# Altium PCB 202101904XB(公开).PcbDoc (part 3 of 6) (continued)
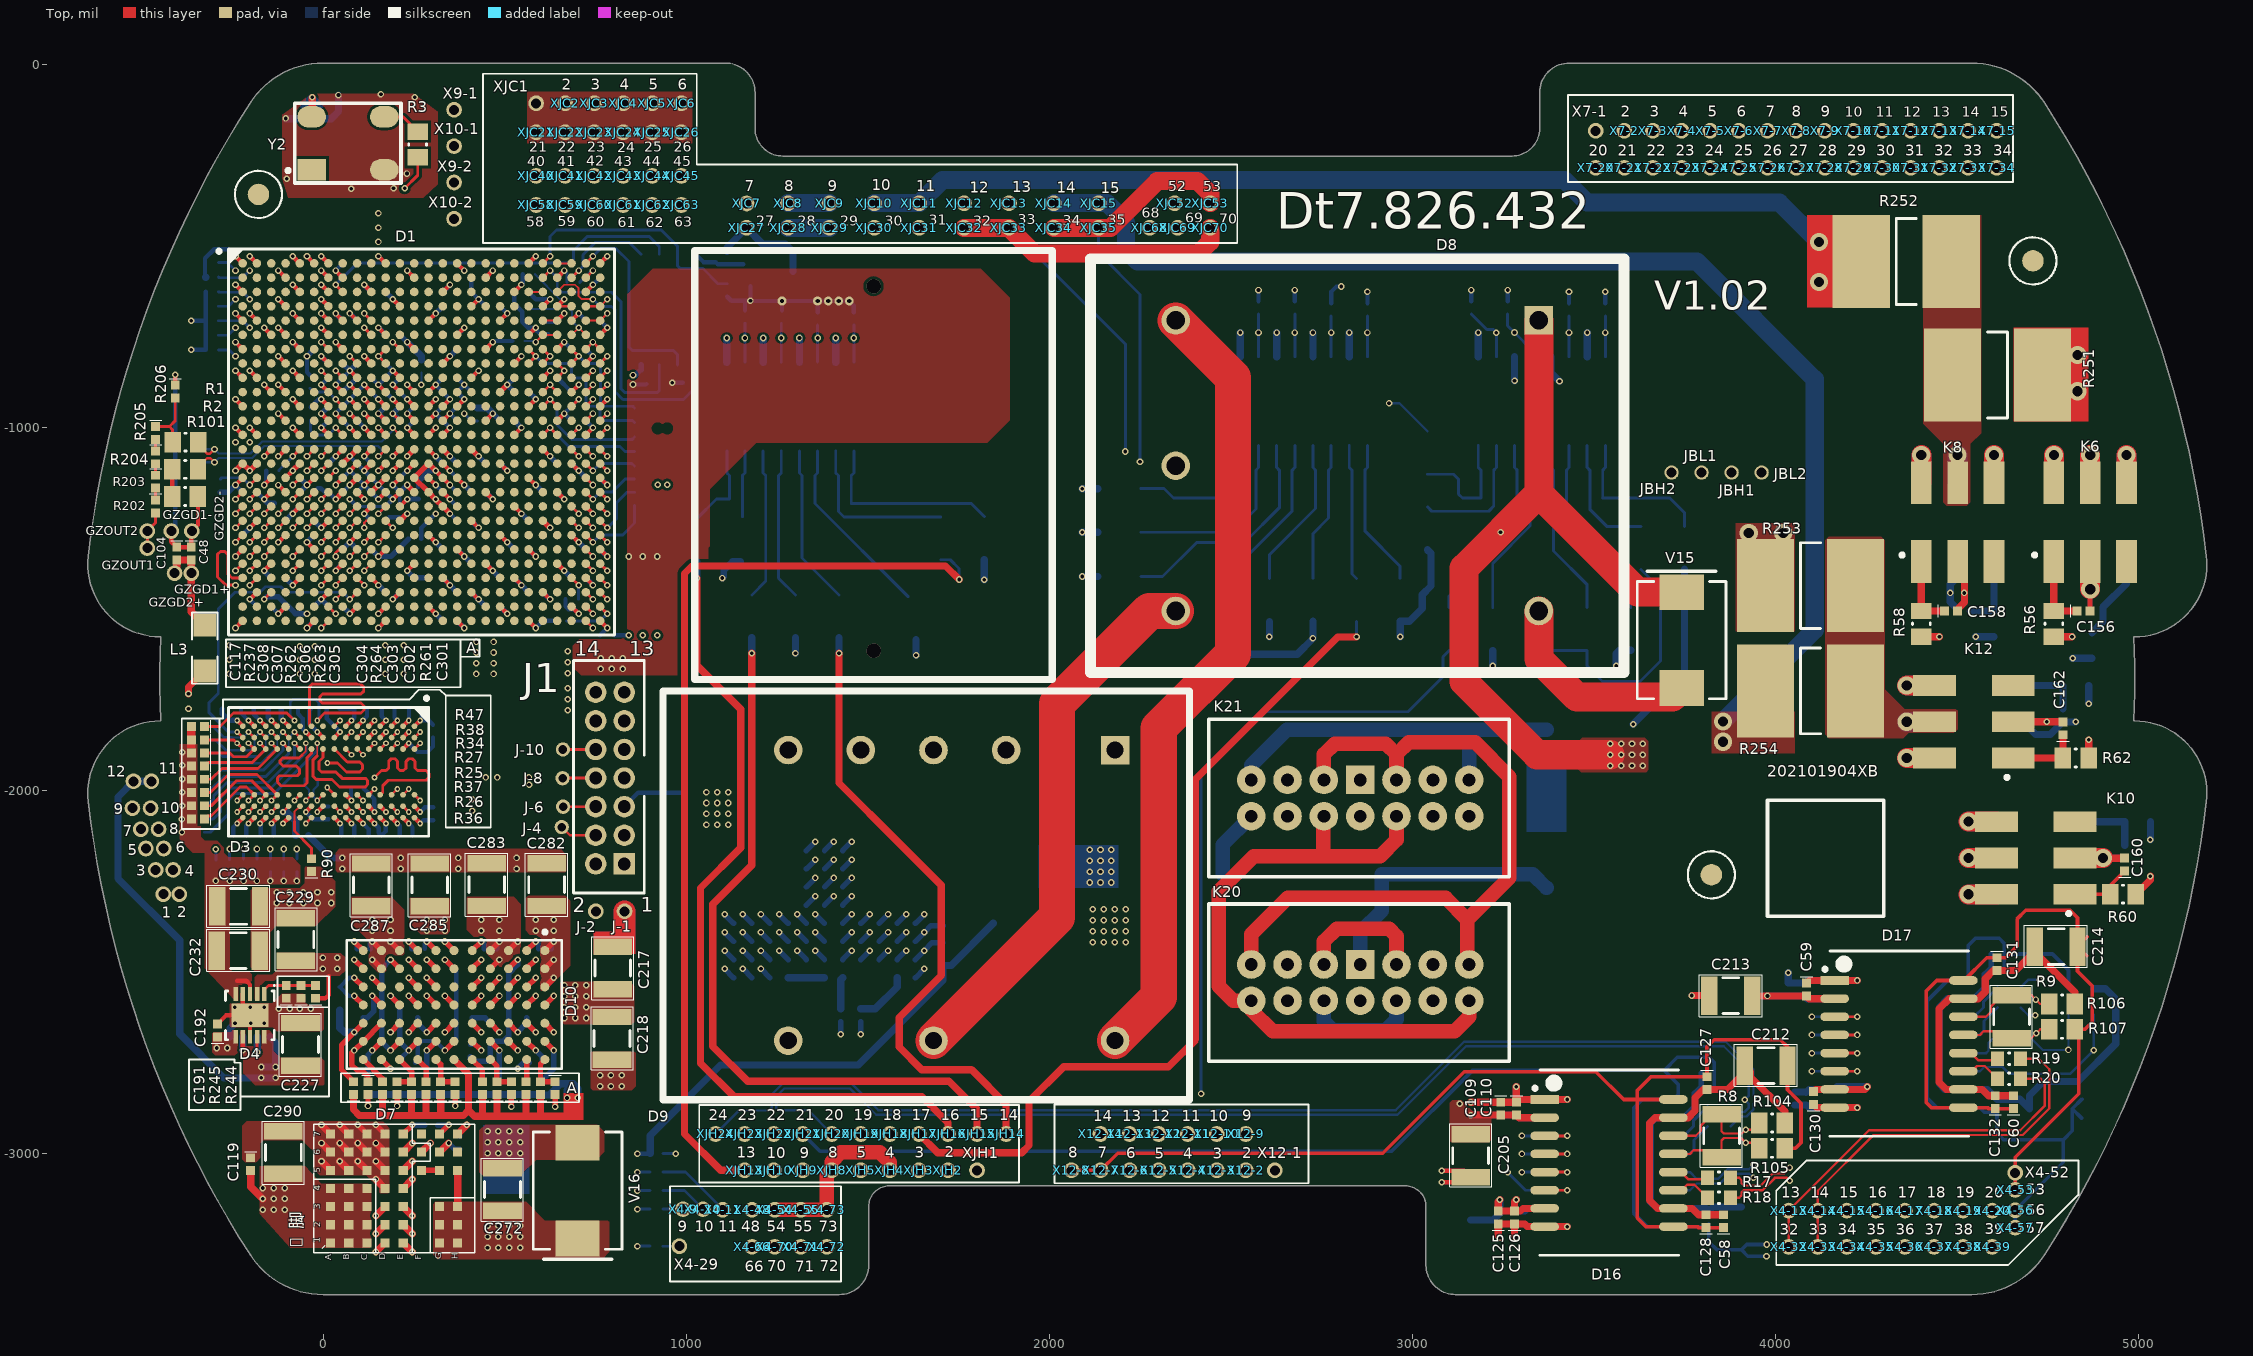
[diagram p0: Top view]
## Nets (pads, with @x,y where several pads share a name; then routed paths per layer and width w, separated by ;. In a path a pad name is that pad's centre, name@x,y a point inside that pad or via, vN(x,y) a via of type N, cw(c..) or ccw(c..) an arc to the next point about the centre after c; other vN are vias at no path point) (continued)
DDR3-A12: D1.U2 D3.N7 R37.1 | length 1420.2
  Top w8: R37.1@-326.98,-2005.42 -309.66,-2005.42 -260.66,-1956.42 -182.08,-1956.42 D3.N7@-126.38,-2012.12 v2(-142.12,-2027.86) ; v1(-201.85,-1198.61) D1.U2@-182.17,-1178.94
  sig_05 w8: v1(-201.85,-1198.61) -201.85,-1186.89 -182.67,-1167.71 -182.67,-1147.42 -190.67,-1139.42 -214.17,-1139.42 -222.17,-1147.42 -222.17,-1288.82 -230.17,-1296.82 -250.57,-1296.82 -260.47,-1306.72 -260.47,-1492.12 -278.67,-1510.32 -278.67,-1948.02 -263.17,-1963.52 -180.27,-1963.52 -142.12,-2001.67 v2(-142.12,-2027.86)
DDR3-A13: D1.U5 D3.T3 R38.1 | length 1331
  Top w8: R38.1@-326.95,-1861.04 -245.97,-1861.04 v2(-236.61,-1870.4) D3.T3@-220.87,-1886.14 ; v1(-83.74,-1198.61) D1.U5@-64.06,-1178.94
  sig_03 w8: v2(-236.61,-1870.4) -261.37,-1870.4 -269.67,-1878.7 -269.67,-1996.6 -277.67,-2004.6 -291.97,-2004.6 -299.97,-1996.6 -299.97,-1230.72 -287.67,-1218.42 -154.97,-1218.42 -135.16,-1198.61 v1(-83.74,-1198.61)
DDR3-A14: D1.U6 D3.T7 R48.2 | length 1419.3
  Top w8: v2(-236.61,-2027.86) D3.T7@-220.87,-2012.12 ; v1(-44.37,-1198.61) D1.U6@-24.69,-1178.94
  sig_03 w8: v1(-295.28,-2161.66) -295.28,-2089.15 -236.61,-2030.49 v2(-236.61,-2027.86) -241.41,-2023.07 -305.73,-2023.07 -318.67,-2010.12 -318.67,-1215.12 -282.87,-1179.32 -63.65,-1179.32 v1(-44.37,-1198.61)
  Bottom w8: R48.2@-295.28,-2191.23 v1(-295.28,-2161.66)
DDR3-BA0: D1.Y1 D3.M2 R39.1 | length 1490.7
  Top w8: v1(-241.22,-1316.72) D1.Y1@-221.54,-1297.05 ; v2(-110.63,-1838.9) D3.M2@-94.88,-1854.64
  sig_08 w5: -126.57,-1796.72 -126.57,-1834.9 -122.57,-1838.9 v2(-110.63,-1838.9)
  sig_08 w8: v1(-241.22,-1316.72) -272.67,-1316.72 -280.67,-1324.72 -280.67,-1941.42 -272.67,-1949.42 -261.35,-1949.42 -256.25,-1944.32 -256.25,-1922.42 -248.25,-1914.42 -237.85,-1914.42 -229.85,-1922.42 -229.85,-1945.82 -226.25,-1949.42 -213.73,-1949.42 -207.07,-1942.76 -207.07,-1900.12 -215.07,-1892.12 -246.57,-1892.12 -254.57,-1884.12 -254.57,-1796.72 -246.57,-1788.72 -134.57,-1788.72 -126.57,-1796.72
  Bottom w5: -130.8,-1886.55 -126.28,-1882.03 -126.28,-1854.55 v2(-110.63,-1838.9)
  Bottom w8: R39.1@-326.95,-1932.98 -319.39,-1925.42 -169.67,-1925.42 -130.8,-1886.55
DDR3-BA1: D1.W1 D3.N8 R40.1 | length 1311.3
  Top w8: v1(-241.22,-1277.35) D1.W1@-221.54,-1257.68 ; v2(-142.12,-2059.36) D3.N8@-126.38,-2043.62
  sig_03 w5: -158.08,-2103 -158.08,-2075.32 v2(-142.12,-2059.36)
  sig_03 w8: -158.08,-2103 -158.08,-2148.36 v1(-145.02,-2161.42)
  sig_05 w5: -157.67,-2014.42 -157.67,-2043.81 v2(-142.12,-2059.36)
  sig_05 w8: v1(-241.22,-1277.35) -263.36,-1277.35 -279.17,-1293.16 -279.17,-1484.42 -302.37,-1507.62 -302.37,-2069.72 -296.27,-2075.82 -282.57,-2075.82 -272.87,-2066.12 -272.87,-1995.82 -262.57,-1985.52 -186.57,-1985.52 -157.67,-2014.42
  Bottom w8: R40.1@-145.02,-2188.7 v1(-145.02,-2161.42)
DDR3-BA2: D1.AC1 D3.M3 R41.1 | length 1493.1
  Top w8: v1(-241.22,-1434.83) -268.05,-1434.83 -290.67,-1412.21 -290.67,-1349.92 -282.67,-1341.92 -270.67,-1341.92 -262.67,-1349.92 -262.67,-1403.65 -251.17,-1415.15 D1.AC1@-221.54,-1415.16 ; v2(-110.63,-1870.4) D3.M3@-94.88,-1886.14
  sig_03 w5: -271.58,-1854.52 -227,-1854.52 -220.87,-1860.65 -220.87,-1883.92
  sig_03 w8: -271.58,-1854.52 -278.47,-1847.63 -278.47,-1418.12 -272.47,-1412.12 -253.57,-1412.12 -241.22,-1424.47 v1(-241.22,-1434.83) ; -220.87,-1883.92 -243.07,-1906.12 -243.07,-2000.35 -237.4,-2006.02 -166.55,-2006.02 -158.55,-1998.02 -158.55,-1955.72 -150.55,-1947.72 -129.87,-1947.72 -119.77,-1937.62 -119.77,-1879.54 v2(-110.63,-1870.4)
  Bottom w8: R41.1@-326.98,-1969.39 -307.64,-1969.39 -282.67,-1944.42 -164.67,-1944.42 -110.63,-1890.38 v2(-110.63,-1870.4)
DDR3-CAS: D1.AC2 D3.K3 R44.1 | length 1628.4
  Top w5: -57.67,-1902.52 -47.64,-1892.49 v2(-47.64,-1870.4)
  Top w8: v1(-201.85,-1434.83) D1.AC2@-182.17,-1415.16 ; -57.67,-1902.52 -65.97,-1910.82 -111.57,-1910.82 -118.17,-1917.42 -118.17,-1924.72 -110.17,-1932.72 -73.87,-1932.72 -65.54,-1941.05 -65.54,-1954.09 -71.21,-1959.76 -120.21,-1959.76 -125.87,-1965.42 -125.87,-1977.52 -116.17,-1987.22 -52.37,-1987.22 -44.37,-1979.22 -44.37,-1910.32 -31.9,-1897.85 D3.K3@-31.89,-1886.14
  sig_08 w5: -55.57,-1778.82 -47.97,-1786.42 -47.97,-1817.02 -63.47,-1832.52 -63.47,-1932.52 -60.17,-1935.82 -52.27,-1935.82 -48.27,-1931.82 -48.27,-1871.03 v2(-47.64,-1870.4)
  sig_08 w8: v1(-201.85,-1434.83) -201.85,-1442.22 -192.87,-1451.2 -181.55,-1451.2 -172.57,-1442.22 -172.57,-1424.32 -164.57,-1416.32 -150.47,-1416.32 -142.47,-1424.32 -142.47,-1483.42 -163.07,-1504.02 -163.07,-1535.92 -141.77,-1557.22 -141.77,-1610.92 -128.17,-1624.52 -128.17,-1679.32 -55.57,-1751.92 -55.57,-1778.82
  Bottom w8: R44.1@-326.96,-2079.13 -302.67,-2079.13 -282.67,-2059.13 -282.67,-2020.42 -255.67,-1993.42 -143.67,-1993.42 -47.64,-1897.39 v2(-47.64,-1870.4)
DDR3-CKE0: D1.AA5 D3.K9 R42.1 | length 1292.7
  Top w8: v1(-83.74,-1356.09) D1.AA5@-64.06,-1336.42 ; v2(-47.64,-2090.85) D3.K9@-31.89,-2075.11
  sig_03 w8: v1(-72.35,-2161.42) -47.64,-2136.71 v2(-47.64,-2090.85)
  sig_05 w5: -63.47,-1885.62 -63.47,-1796.72
  sig_05 w8: v1(-83.74,-1356.09) -103.37,-1375.72 -103.37,-1466.72 -85.67,-1484.42 -85.67,-1562.32 -92.77,-1569.42 -92.77,-1688.72 -63.47,-1718.02 -63.47,-1796.72 ; -63.47,-1885.62 -63.47,-1995.72 -50.47,-2008.72 -3.37,-2008.72 4.63,-2016.72 4.63,-2221.72 -1.04,-2227.39 -14.7,-2227.39 -21.47,-2220.62 -21.47,-2098.85 -29.47,-2090.85 v2(-47.64,-2090.85)
  Bottom w8: R42.1@-72.35,-2188.7 v1(-72.35,-2161.42)
DDR3-CLK0_N: D1.W5 D3.K7 R50.1 | length 1250.4
  Top w6.5: v1(-83.74,-1277.35) D1.W5@-64.06,-1257.68 ; v2(-47.64,-2027.86) D3.K7@-31.89,-2012.12
  sig_08 w6.5: v1(-83.74,-1277.35) -70.31,-1290.78 -70.31,-1297.89 -79.17,-1306.75 -79.17,-1328 -36.97,-1370.2 -36.97,-1426.04 -79.67,-1468.74 -79.67,-1561.6 -56.85,-1584.42 -7.35,-1584.42 2.83,-1594.6 2.83,-1885.04 -18.67,-1906.54 -18.67,-1944.92 -25.17,-1951.42 -157.15,-1951.42 -170.97,-1965.24 -170.97,-1989.8 -157.15,-2003.62 -44.67,-2003.62 -38.17,-2010.12 -38.17,-2018.39 v2(-47.64,-2027.86)
  Bottom w6.5: R50.1@-50.41,-1968.14 -50.42,-1986.69 -38.95,-1998.16 -38.95,-2019.17 v2(-47.64,-2027.86)
DDR3-CLK0_P: D1.W6 D3.J7 R50.2 | length 1251.1
  Top w6.5: v1(-44.37,-1277.35) D1.W6@-24.69,-1257.68 ; v2(-16.15,-2027.87) D3.J7@-0.39,-2012.12
  sig_08 w6.5: v1(-44.37,-1277.35) -57.81,-1290.79 -57.81,-1303.07 -66.67,-1311.93 -66.67,-1322.82 -24.47,-1365.02 -24.47,-1431.22 -67.17,-1473.92 -67.17,-1556.42 -51.67,-1571.92 -2.17,-1571.92 15.33,-1589.42 15.33,-1890.22 -6.17,-1911.72 -6.17,-1950.1 -19.99,-1963.92 -151.97,-1963.92 -158.47,-1970.42 -158.47,-1984.62 -151.97,-1991.12 -39.49,-1991.12 -25.67,-2004.94 -25.67,-2018.35 v2(-16.15,-2027.87)
  Bottom w6.5: v2(-16.15,-2027.87) -26.45,-2017.57 -26.45,-1998.16 -14.98,-1986.69 R50.2@-14.98,-1968.14
DDR3-D0: D1.W11 D3.E3 | length 1232.6
  Top w8: D3.E3@125.58,-1886.14 v2(141.32,-1870.4) ; D1.W11@172.16,-1257.68 v1(191.84,-1277.35)
  sig_05 w8: v2(141.32,-1870.4) 141.32,-1903.21 149.33,-1911.22 162.33,-1911.22 170.33,-1903.22 170.33,-1896.02 178.33,-1888.02 194.33,-1888.02 202.33,-1896.02 202.33,-1903.22 210.33,-1911.22 226.33,-1911.22 234.33,-1903.22 234.33,-1896.02 242.33,-1888.02 258.33,-1888.02 266.33,-1896.02 266.33,-1903.22 274.33,-1911.22 297.43,-1911.22 305.43,-1903.22 305.43,-1886.37 292.93,-1873.87 292.93,-1854.37 305.43,-1841.87 305.43,-1822.37 292.93,-1809.87 292.93,-1790.37 305.43,-1777.87 305.43,-1740.83 297.42,-1732.82 274.03,-1732.82 266.03,-1724.82 266.03,-1712.87 274.43,-1704.47 297.43,-1704.47 305.43,-1696.47 305.43,-1680.47 297.43,-1672.47 274.03,-1672.47 266.03,-1664.47 266.03,-1648.87 274.43,-1640.47 297.43,-1640.47 305.43,-1632.47 305.43,-1616.47 297.43,-1608.47 274.03,-1608.47 266.03,-1600.47 266.03,-1584.87 274.43,-1576.47 297.43,-1576.47 305.43,-1568.47 305.43,-1549.72 286.73,-1531.02 286.73,-1472.02 258.03,-1443.32 258.03,-1428.22 250.03,-1420.22 208.13,-1420.22 196.29,-1408.38 196.29,-1397.06 211.83,-1381.52 211.83,-1358.34 195.93,-1342.44 195.93,-1326.24 211.83,-1310.34 211.83,-1297.34 v1(191.84,-1277.35)
DDR3-D1: D1.V8 D3.F7 | length 1234.4
  Top w8: v1(34.37,-1237.98) D1.V8@54.05,-1218.31 ; D3.F7@94.09,-2012.12 v2(109.83,-2027.86)
  sig_05 w5: 72.93,-1880.72 117.43,-1880.72 123.23,-1874.92 123.23,-1866.32 134.93,-1854.62 147.63,-1854.62 156.83,-1845.42 156.83,-1796.02
  sig_05 w8: v1(34.37,-1237.98) 53.93,-1257.54 53.93,-1285.52 65.43,-1297.02 162.73,-1297.02 171.73,-1306.02 171.73,-1421.62 193.03,-1442.92 220.73,-1442.92 262.13,-1484.32 262.13,-1549.82 246.83,-1565.12 246.83,-1731.12 280.23,-1764.52 280.23,-1778.42 269.63,-1789.02 163.83,-1789.02 156.83,-1796.02 ; 72.93,-1880.72 60.83,-1892.82 60.83,-1923.02 109.83,-1972.02 v2(109.83,-2027.86)
DDR3-D2: D1.V7 D3.F2 | length 1229
  Top w8: v1(-5,-1237.98) D1.V7@14.68,-1218.31 ; D3.F2@94.09,-1854.64 v2(109.83,-1838.9)
  sig_05 w5: 62.63,-1792.02 62.63,-1849.32 68.23,-1854.92 93.81,-1854.92 v2(109.83,-1838.9)
  sig_05 w8: v1(-5,-1237.98) -24.27,-1218.71 -24.27,-1187.02 -16.27,-1179.02 46.63,-1179.02 54.63,-1187.02 54.63,-1210.22 46.63,-1218.22 22.73,-1218.22 14.33,-1226.62 14.33,-1285.92 25.83,-1297.42 43.43,-1297.42 53.63,-1307.62 53.63,-1522.22 76.23,-1544.82 76.23,-1557.82 69.2,-1564.85 44.56,-1564.85 37.53,-1571.88 37.53,-1581.82 44.56,-1588.85 69.2,-1588.85 76.23,-1595.88 76.23,-1605.82 69.2,-1612.85 44.56,-1612.85 37.53,-1619.88 37.53,-1629.82 44.56,-1636.85 69.2,-1636.85 76.23,-1643.88 76.23,-1653.82 69.2,-1660.85 44.56,-1660.85 37.53,-1667.88 37.53,-1677.82 44.56,-1684.85 69.2,-1684.85 76.23,-1691.88 76.23,-1701.82 69.2,-1708.85 44.56,-1708.85 37.53,-1715.88 37.53,-1725.82 44.56,-1732.85 69.2,-1732.85 76.23,-1739.88 76.23,-1778.42 62.63,-1792.02
DDR3-D3: D1.Y8 D3.F8 | length 1227.3
  Top w8: v1(34.37,-1316.72) D1.Y8@54.05,-1297.05 ; D3.F8@94.09,-2043.62 v2(109.83,-2059.36)
  sig_05 w5: 102.73,-2110.52 93.97,-2101.76 93.97,-2075.22 v2(109.83,-2059.36)
  sig_05 w8: v1(34.37,-1316.72) 14.63,-1336.46 14.63,-1534.22 20.83,-1540.42 20.83,-1850.82 30.13,-1860.12 30.13,-1937.72 53.73,-1961.32 53.73,-1999.42 41.53,-2011.62 41.53,-2038.32 28.53,-2051.32 28.53,-2129.62 37.23,-2138.32 180.33,-2138.32 188.33,-2130.32 188.33,-2117.32 181.53,-2110.52 102.73,-2110.52
DDR3-D4: D1.Y7 D3.H3 | length 1236.9
  Top w8: v1(-5,-1316.72) D1.Y7@14.68,-1297.05 ; v2(11.63,-1925.02) 40.02,-1925.02 64.04,-1949.04 100.83,-1949.04 108.83,-1941.04 108.83,-1929.72 100.83,-1921.72 66.68,-1921.72 D3.H3@31.1,-1886.14
  sig_05 w8: v1(-5,-1316.72) -31.3,-1343.02 -40.84,-1343.02 -47.87,-1350.05 -47.87,-1359.99 -40.84,-1367.02 -31.3,-1367.02 -24.27,-1374.05 -24.27,-1383.99 -31.3,-1391.02 -40.84,-1391.02 -47.87,-1398.05 -47.87,-1407.99 -40.84,-1415.02 -31.3,-1415.02 -24.27,-1422.05 -24.27,-1431.99 -31.3,-1439.02 -40.84,-1439.02 -47.87,-1446.05 -47.87,-1455.99 -40.84,-1463.02 -31.3,-1463.02 -24.27,-1470.05 -24.27,-1492.52 -16.69,-1500.1 -9.86,-1500.1 -1.86,-1508.1 -1.86,-1519.42 -9.86,-1527.42 -16.27,-1527.42 -24.27,-1535.42 -24.27,-1565.22 3.23,-1592.72 3.23,-1699.49 -3.8,-1706.52 -21.44,-1706.52 -28.47,-1713.55 -28.47,-1723.49 -21.44,-1730.52 -3.8,-1730.52 3.23,-1737.55 3.23,-1747.49 -3.8,-1754.52 -21.44,-1754.52 -28.47,-1761.55 -28.47,-1771.49 -21.44,-1778.52 -3.91,-1778.52 3.12,-1785.55 3.12,-1890.82 -2.18,-1896.12 -16.37,-1896.12 -25.07,-1904.82 -25.07,-1921.72 -13.98,-1932.81 -13.98,-1944.13 -24.32,-1954.47 -24.32,-1965.15 -16.78,-1972.69 4.56,-1972.69 11.63,-1965.62 v2(11.63,-1925.02)
DDR3-D5: D1.Y11 D3.H8 | length 1240.1
  Top w8: D3.H8@31.1,-2043.62 v2(46.84,-2059.36) ; v1(152.48,-1316.72) D1.Y11@172.16,-1297.05
  sig_05 w5: 61.73,-1867.52 105.73,-1867.52 125.33,-1847.92 125.33,-1795.42
  sig_05 w8: v2(46.84,-2059.36) 59.83,-2046.37 59.83,-2014.89 78.43,-1996.29 78.43,-1962.72 45.33,-1929.62 45.33,-1883.92 61.73,-1867.52 ; 125.33,-1795.42 125.33,-1789.22 145.33,-1769.22 230.61,-1769.22 238.61,-1761.22 238.61,-1749.9 223.93,-1735.22 223.93,-1714.62 198.13,-1688.82 198.13,-1579.52 206.13,-1571.52 221.83,-1571.52 227.89,-1565.46 227.89,-1554.58 221.26,-1547.95 181.22,-1547.95 173.22,-1539.95 173.22,-1528.63 181.22,-1520.63 230.23,-1520.63 238.23,-1512.63 238.23,-1502.12 230.23,-1494.12 179.03,-1494.12 171.03,-1486.12 171.03,-1464.42 161.83,-1455.22 143.93,-1455.22 133.33,-1444.62 133.33,-1419.22 139.73,-1412.82 147.63,-1412.82 155.43,-1405.02 155.43,-1387.72 147.43,-1379.72 141.53,-1379.72 133.33,-1371.52 133.33,-1324.72 141.33,-1316.72 v1(152.48,-1316.72)
DDR3-D6: D1.Y10 D3.G2 | length 1229.8
  Top w8: D3.G2@62.6,-1854.64 v2(78.33,-1838.9) ; v1(113.11,-1316.72) D1.Y10@132.79,-1297.05
  sig_05 w5: v2(78.33,-1838.9) 93.83,-1823.4 93.83,-1790.72
  sig_05 w8: 93.83,-1790.72 135.23,-1749.32 195.3,-1749.32 203.3,-1741.32 203.3,-1724.62 195.3,-1716.62 129.33,-1716.62 121.33,-1724.62 121.33,-1731.32 113.33,-1739.32 99.93,-1739.32 91.93,-1731.32 91.93,-1694.52 99.93,-1686.52 141.93,-1686.52 149.83,-1678.62 149.83,-1666.23 141.83,-1658.23 100.96,-1658.23 93.93,-1651.2 93.93,-1641.26 100.96,-1634.23 145.72,-1634.23 152.73,-1627.22 152.73,-1615.9 147.06,-1610.23 100.96,-1610.23 93.93,-1603.2 93.93,-1593.26 100.96,-1586.23 134.34,-1586.23 140.73,-1579.84 140.73,-1569.5 133.46,-1562.23 100.96,-1562.23 93.93,-1555.2 93.93,-1545.26 100.96,-1538.23 124.98,-1538.23 132.01,-1531.2 132.01,-1521.26 124.98,-1514.23 100.96,-1514.23 93.93,-1507.2 93.93,-1497.26 100.96,-1490.23 124.98,-1490.23 132.01,-1483.2 132.01,-1470.2 119.03,-1457.22 82.63,-1457.22 72.13,-1446.72 72.13,-1433.72 80.13,-1425.72 88.53,-1425.72 93.83,-1420.42 93.83,-1336 v1(113.11,-1316.72)
DDR3-D7: D1.V9 D3.H7 | length 1230.6
  Top w8: v2(11.37,-1992.39) D3.H7@31.1,-2012.12 ; v1(73.74,-1237.98) D1.V9@93.42,-1218.31
  sig_05 w5: -31.87,-1881.32 -31.87,-1821.72
  sig_05 w8: -31.87,-1881.32 -41.67,-1891.12 -41.67,-1977.12 -26.4,-1992.39 v2(11.37,-1992.39) ; -31.87,-1821.72 -44.07,-1809.52 -44.07,-1583.32 -63.67,-1563.72 -63.67,-1147.92 -55.67,-1139.92 85.13,-1139.92 93.73,-1148.52 93.73,-1229.97 85.72,-1237.98 v1(73.74,-1237.98)
DDR3-D8: D1.AF7 D3.D7 | length 1053.6
  Top w8: v1(-5,-1552.94) D1.AF7@14.68,-1533.27 ; v2(141.31,-1964.87) 160.67,-1945.51 173.67,-1945.51 180.7,-1938.48 180.7,-1920.05 187.73,-1913.02 197.67,-1913.02 204.7,-1920.05 204.7,-1938.48 211.73,-1945.51 221.67,-1945.51 228.7,-1938.48 228.7,-1920.05 235.73,-1913.02 245.67,-1913.02 252.7,-1920.05 252.7,-1938.48 259.73,-1945.51 283.12,-1945.51 291.12,-1953.51 291.12,-1964.83 283.83,-1972.12 179.63,-1972.12 164.23,-1987.52 164.23,-2004.97 D3.D7@157.09,-2012.12
  sig_03 w8: v1(-5,-1552.94) -3.37,-1554.57 -3.37,-1793.62 1.63,-1798.62 1.63,-1881.12 -6.67,-1889.42 -6.67,-1951.52 -1.77,-1956.42 24.33,-1956.42 34.33,-1966.42 70.22,-1966.42 77.25,-1973.45 77.25,-1984.09 84.28,-1991.12 102.42,-1991.12 109.45,-1984.09 109.45,-1973.45 118.03,-1964.87 v2(141.31,-1964.87)
DDR3-D9: D1.AA8 D3.C3 | length 1042.2
  Top w8: v1(34.37,-1356.09) 34.37,-1346.57 44.53,-1336.41 D1.AA8@54.05,-1336.42 ; D3.C3@188.58,-1886.14 v2(204.32,-1870.4)
  sig_03 w5: v2(204.32,-1870.4) 220.06,-1854.66 243.89,-1854.66 251.73,-1846.82 251.73,-1798.62 257.43,-1792.92
  sig_03 w8: v1(34.37,-1356.09) 34.37,-1345.98 54.13,-1326.22 54.13,-1265.02 46.13,-1257.02 24.43,-1257.02 15.03,-1266.42 15.03,-1362.78 27.67,-1375.42 41.34,-1375.42 54.33,-1388.41 54.33,-1403.42 74.33,-1423.42 74.33,-1444.82 115.63,-1486.12 115.63,-1543.72 149.83,-1577.92 201.43,-1577.92 223.57,-1555.78 234.89,-1555.78 271.33,-1592.22 271.33,-1779.02 257.43,-1792.92
DDR3-D10: D1.AA7 D3.C8 | length 1056.7
  Top w8: v1(-5,-1356.09) D1.AA7@14.68,-1336.42 ; D3.C8@188.58,-2043.62 v2(204.32,-2059.36)
  sig_03 w5: -63.67,-1821.22 -63.67,-1832.43 -63.63,-1832.47 -63.63,-1885.42 ; 21.73,-2057.62 39.22,-2075.11 188.57,-2075.11 v2(204.32,-2059.36)
  sig_03 w8: -63.67,-1821.22 -54.17,-1811.72 -54.17,-1738.92 -84.47,-1708.62 -84.47,-1595.22 -63.67,-1574.42 -63.67,-1414.76 v1(-5,-1356.09) ; -63.63,-1885.42 -63.63,-1992.36 -51.27,-2004.72 -10.37,-2004.72 21.73,-2036.82 21.73,-2057.62
DDR3-D11: D1.AB7 D3.C2 | length 1056.4
  Top w8: v1(-5,-1395.46) D1.AB7@14.68,-1375.79 ; D3.C2@188.58,-1854.64 v2(204.32,-1838.9)
  sig_03 w5: v2(204.32,-1838.9) 220.23,-1822.99 220.23,-1790.62 224.23,-1786.62
  sig_03 w8: v1(-5,-1395.46) 14.96,-1415.42 43.33,-1415.42 54.33,-1426.42 54.33,-1485.92 62.33,-1493.92 85.33,-1493.92 97.58,-1506.17 97.58,-1555.47 162.53,-1620.42 241.03,-1620.42 249.93,-1629.32 249.93,-1651.72 242.13,-1659.52 155.43,-1659.52 147.23,-1667.72 147.23,-1689.42 157.83,-1700.02 239.73,-1700.02 249.93,-1710.22 249.93,-1719.02 243.93,-1725.02 162.95,-1725.02 154.95,-1733.02 154.95,-1746.32 163.25,-1754.62 238.93,-1754.62 249.93,-1765.62 249.93,-1774.52 237.83,-1786.62 224.23,-1786.62
DDR3-D12: D1.AC7 D3.A7 | length 1050.6
  Top w8: v1(-5,-1434.83) D1.AC7@14.68,-1415.16 ; D3.A7@251.57,-2012.12 v2(267.32,-2027.87)
  sig_03 w5: -31.67,-1885.42 -31.67,-1826.42
  sig_03 w8: -31.67,-1885.42 -31.67,-1948.62 -7.87,-1972.42 17.33,-1972.42 36.03,-1991.12 36.03,-2027.62 44.03,-2035.62 52.03,-2035.62 60.03,-2027.62 60.03,-2013.92 66.03,-2007.92 121.73,-2007.92 131.98,-2018.17 131.98,-2029.77 138.73,-2036.52 235.88,-2036.52 244.53,-2027.87 v2(267.32,-2027.87) ; -31.67,-1826.42 -38.37,-1819.72 -38.37,-1798.52 -24.67,-1784.82 -24.67,-1740.42 -43.57,-1721.52 -43.57,-1588.32 -24.67,-1569.42 -24.67,-1492.22 -44.57,-1472.32 -44.57,-1429.82 -36.57,-1421.82 -13,-1421.82 -5,-1429.82 v1(-5,-1434.83)
DDR3-D13: D1.AA9 D3.A2 | length 1061.3
  Top w8: v1(73.74,-1356.09) D1.AA9@93.42,-1336.42 ; D3.A2@251.57,-1854.64 v2(267.31,-1838.9)
  sig_03 w8: v1(73.74,-1356.09) 93.07,-1375.42 93.07,-1443.16 103.93,-1454.02 125.13,-1454.02 133.13,-1446.02 133.13,-1425.62 143.53,-1415.22 164.03,-1415.22 172.03,-1423.22 172.03,-1446.52 179.53,-1454.02 203.23,-1454.02 231.71,-1482.5 231.71,-1497.72 223.71,-1505.72 180.23,-1505.72 172.23,-1497.72 172.23,-1474.12 164.23,-1466.12 140.43,-1466.12 132.43,-1474.12 132.43,-1521.82 143.53,-1532.92 166.83,-1532.92 173.93,-1540.02 173.93,-1549.12 181.93,-1557.12 193.73,-1557.12 202.03,-1548.82 202.03,-1533.12 207.93,-1527.22 235.03,-1527.22 295.53,-1587.72 295.53,-1830.9 287.53,-1838.9 v2(267.31,-1838.9)
DDR3-D14: D1.AB9 D3.B8 | length 1072.8
  Top w8: v1(73.74,-1395.46) D1.AB9@93.42,-1375.79 ; D3.B8@220.08,-2043.62 v2(235.81,-2059.36)
  sig_03 w5: v2(235.81,-2059.36) 251.75,-2043.42 277.33,-2043.42
  sig_03 w8: v1(73.74,-1395.46) 73.74,-1384.83 54.33,-1365.42 54.33,-1347.58 65.49,-1336.42 161.43,-1336.42 209.43,-1384.42 209.43,-1407.22 276.13,-1473.92 276.13,-1509.92 340.03,-1573.82 340.03,-1980.72 277.33,-2043.42
DDR3-D15: D1.AC9 D3.A3 | length 1045.4
  Top w8: D1.AC9@93.42,-1415.16 v1(113.1,-1434.83) ; D3.A3@251.57,-1886.14 v2(267.32,-1870.39)
  sig_03 w8: v1(113.1,-1434.83) 113.1,-1423.35 135.21,-1401.24 135.21,-1382.14 140.87,-1376.48 173.99,-1376.48 190.43,-1392.92 190.43,-1414.12 253.03,-1476.72 253.03,-1514.02 319.33,-1580.32 319.33,-1975.22 286.73,-2007.82 275.41,-2007.82 267.41,-1999.82 267.41,-1988.5 295.53,-1960.38 295.53,-1878.39 287.53,-1870.39 v2(267.32,-1870.39)
DDR3-DM0: D1.V11 D3.E7 | length 1229.4
  Top w8: D3.E7@125.58,-2012.12 v2(141.32,-1996.38) ; v1(152.48,-1237.98) D1.V11@172.16,-1218.31
  sig_05 w8: v2(141.32,-1996.38) 160.28,-1977.42 327.13,-1977.42 369.13,-1935.42 369.13,-1393.21 361.13,-1385.21 342.93,-1385.21 334.93,-1377.21 334.93,-1361.21 342.93,-1353.21 361.13,-1353.21 369.13,-1345.21 369.13,-1329.72 257.83,-1218.42 172.04,-1218.42 v1(152.48,-1237.98)
DDR3-DM1: D1.AE7 D3.D3 | length 1055.9
  Top w8: D1.AE7@14.68,-1493.9 v1(34.36,-1513.57) ; D3.D3@157.09,-1886.14 v2(172.83,-1870.39)
  sig_03 w5: v2(172.83,-1870.39) 188.43,-1854.79 188.43,-1797.42
  sig_03 w8: v1(34.36,-1513.57) 34.36,-1524.45 45.78,-1535.87 71.23,-1535.87 79.43,-1544.07 79.43,-1559.1 103.53,-1583.2 103.53,-1594.52 95.53,-1602.52 65.34,-1602.52 57.34,-1610.52 57.34,-1622.12 65.34,-1630.12 134.4,-1630.12 142.4,-1638.12 142.4,-1649.75 136.53,-1655.62 63.93,-1655.62 55.93,-1663.62 55.93,-1672.86 63.93,-1680.86 123.33,-1680.86 131.33,-1688.86 131.33,-1700.18 124.53,-1706.98 61.59,-1706.98 53.59,-1714.98 53.59,-1727.38 61.59,-1735.38 132.33,-1735.38 138.03,-1741.08 138.03,-1753.6 130.03,-1761.6 63.9,-1761.6 55.4,-1770.1 55.4,-1781.42 63.4,-1789.42 180.43,-1789.42 188.43,-1797.42
DDR3-DQS0_N: D1.W9 D3.G3 | length 1231.4
  Top w6.5: D3.G3@62.6,-1886.14 v2(78.33,-1901.88) ; v1(73.74,-1277.35) D1.W9@93.42,-1257.68
  sig_05 w6.5: v1(73.74,-1277.35) 85.4,-1277.35 103.65,-1259.1 160.33,-1259.1 175.01,-1244.42 211.33,-1244.42 289.33,-1322.42 289.33,-1425.32 341.93,-1477.92 341.93,-1920.02 316.03,-1945.92 109.03,-1945.92 87.83,-1924.72 87.83,-1911.38 v2(78.33,-1901.88)
DDR3-DQS0_P: D1.W10 D3.F3 | length 1229.9
  Top w6.5: D3.F3@94.09,-1886.14 v2(109.83,-1901.88) ; v1(113.11,-1277.35) 113.11,-1263.35 118.79,-1257.67 D1.W10@132.79,-1257.68
  sig_05 w6.5: v2(109.83,-1901.88) 100.33,-1911.38 100.33,-1919.54 114.21,-1933.42 310.85,-1933.42 329.43,-1914.84 329.43,-1483.1 276.83,-1430.5 276.83,-1378.1 269.73,-1371 248.93,-1371 242.43,-1364.5 242.43,-1351.5 248.93,-1345 270.33,-1345 276.83,-1338.5 276.83,-1327.6 267.86,-1318.63 258.66,-1318.63 252.2,-1325.09 243,-1325.09 233.81,-1315.9 233.81,-1306.7 240.27,-1300.24 240.27,-1291.04 206.15,-1256.92 180.19,-1256.92 169.33,-1267.78 169.33,-1276.92 163.33,-1282.92 149.15,-1282.92 137.83,-1271.6 118.86,-1271.6 v1(113.11,-1277.35)
DDR3-DQS1_N: D1.AD8 D3.B7 | length 1044.7
  Top w6.5: v1(34.37,-1474.2) D1.AD8@54.05,-1454.53 ; D3.B7@220.08,-2012.12 v2(235.81,-1996.38)
  sig_03 w6.5: v1(34.37,-1474.2) 34.37,-1483.38 12.62,-1505.13 12.62,-1525.71 29.93,-1543.02 29.93,-1554.52 35.64,-1560.23 53.12,-1560.23 58.83,-1565.94 58.83,-1574.02 53.12,-1579.73 35.64,-1579.73 29.93,-1585.44 29.93,-1853.72 48.63,-1872.42 48.63,-1927.92 55.13,-1934.42 101.55,-1934.42 144,-1891.97 163.7,-1891.97 177.53,-1905.8 177.53,-1948.12 184.03,-1954.62 193.35,-1954.62 202.83,-1945.14 202.83,-1907.24 222.75,-1887.32 261.85,-1887.32 275.67,-1901.14 275.67,-1930.58 227.44,-1978.81 227.44,-1988.01 v2(235.81,-1996.38)
DDR3-DQS1_P: D1.AC8 D3.C7 | length 1045.8
  Top w6.5: v1(34.37,-1434.83) D1.AC8@54.05,-1415.16 ; D3.C7@188.58,-2012.12 v2(204.32,-1996.38)
  sig_03 w6.5: v1(34.37,-1434.83) 14.68,-1454.52 14.68,-1485.39 0.12,-1499.95 0.12,-1530.89 17.43,-1548.2 17.43,-1858.9 36.13,-1877.6 36.13,-1933.1 49.95,-1946.92 106.73,-1946.92 149.18,-1904.47 158.52,-1904.47 165.03,-1910.98 165.03,-1953.3 178.85,-1967.12 198.53,-1967.12 215.33,-1950.32 215.33,-1912.42 227.93,-1899.82 256.67,-1899.82 263.17,-1906.32 263.17,-1925.4 214.94,-1973.63 214.94,-1985.76 v2(204.32,-1996.38)
DDR3-ODT0: D1.AB5 D3.K1 R47.1 | length 1655.1
  Top w8: R47.1@-326.95,-1823.83 -284.08,-1823.83 -246.97,-1786.72 -99.84,-1786.72 v2(-79.15,-1807.41) ; v1(-83.74,-1395.46) D1.AB5@-64.06,-1375.79 ; D3.K1@-31.89,-1823.15 -37.17,-1817.86 -37.17,-1714.62 -29.17,-1706.62 102.13,-1706.62 111.83,-1716.32 111.83,-1727.02 103.83,-1735.02 -1.65,-1735.02 -9.33,-1742.7 -9.33,-1752.72 -2.25,-1759.8 104.43,-1759.8 112.43,-1767.8 112.43,-1779.12 104.43,-1787.12 4.13,-1787.12 v2(-16.16,-1807.41)
  sig_08 w8: v1(-83.74,-1395.46) -103.37,-1415.09 -103.37,-1572.52 -85.52,-1590.37 -85.52,-1650.37 -76.07,-1659.82 -52.87,-1659.82 -42.87,-1669.82 -42.87,-1690.11 -16.16,-1716.82 v2(-16.16,-1807.41)
  Bottom w8: v2(-79.15,-1807.41) -90.36,-1796.21 -90.36,-1756.28 -84.08,-1750 -20.36,-1750 -12.36,-1758 ; v2(-16.16,-1807.41) v2@-12.36,-1803.61 ; v2@-11.36,-1805.61 -11.36,-1760
DDR3-RAS: D1.AB2 D3.J3 R45.1 | length 1678.1
  Top w5: -16.15,-1904.7 v2(-16.15,-1870.39)
  Top w8: v1(-201.85,-1395.46) D1.AB2@-182.17,-1375.79 ; -16.15,-1904.7 -28.27,-1916.82 -28.27,-1960.42 -18.97,-1969.72 24.53,-1969.72 45.23,-1990.42 116.07,-1990.42 122.59,-1983.9 122.59,-1972.58 116.93,-1966.92 52.63,-1966.92 34.93,-1949.22 -4.82,-1949.22 -11.22,-1942.82 -11.22,-1920.37 -0.4,-1909.55 D3.J3@-0.39,-1886.14
  sig_08 w5: -31.97,-1828.22 -31.97,-1854.57 v2(-16.15,-1870.39)
  sig_08 w8: v1(-201.85,-1395.46) -182.31,-1375.92 -145.07,-1375.92 -137.07,-1367.92 -137.07,-1348.82 -127.5,-1339.25 -112.84,-1339.25 -107.17,-1344.92 -107.17,-1389.32 -124.17,-1406.32 -124.17,-1487.12 -142.67,-1505.62 -142.67,-1528.62 -119.37,-1551.92 -119.37,-1600.32 -106.47,-1613.22 -106.47,-1673.82 -33.67,-1746.62 -33.67,-1826.52 -31.97,-1828.22
  Bottom w8: R45.1@-326.96,-2115.42 -310.67,-2115.42 -262.67,-2067.42 -262.67,-2028.42 -242.67,-2008.42 -134.67,-2008.42 -16.15,-1889.9 v2(-16.15,-1870.39)